# KiCad board JumperlessV5r8.kicad_pcb (continued)
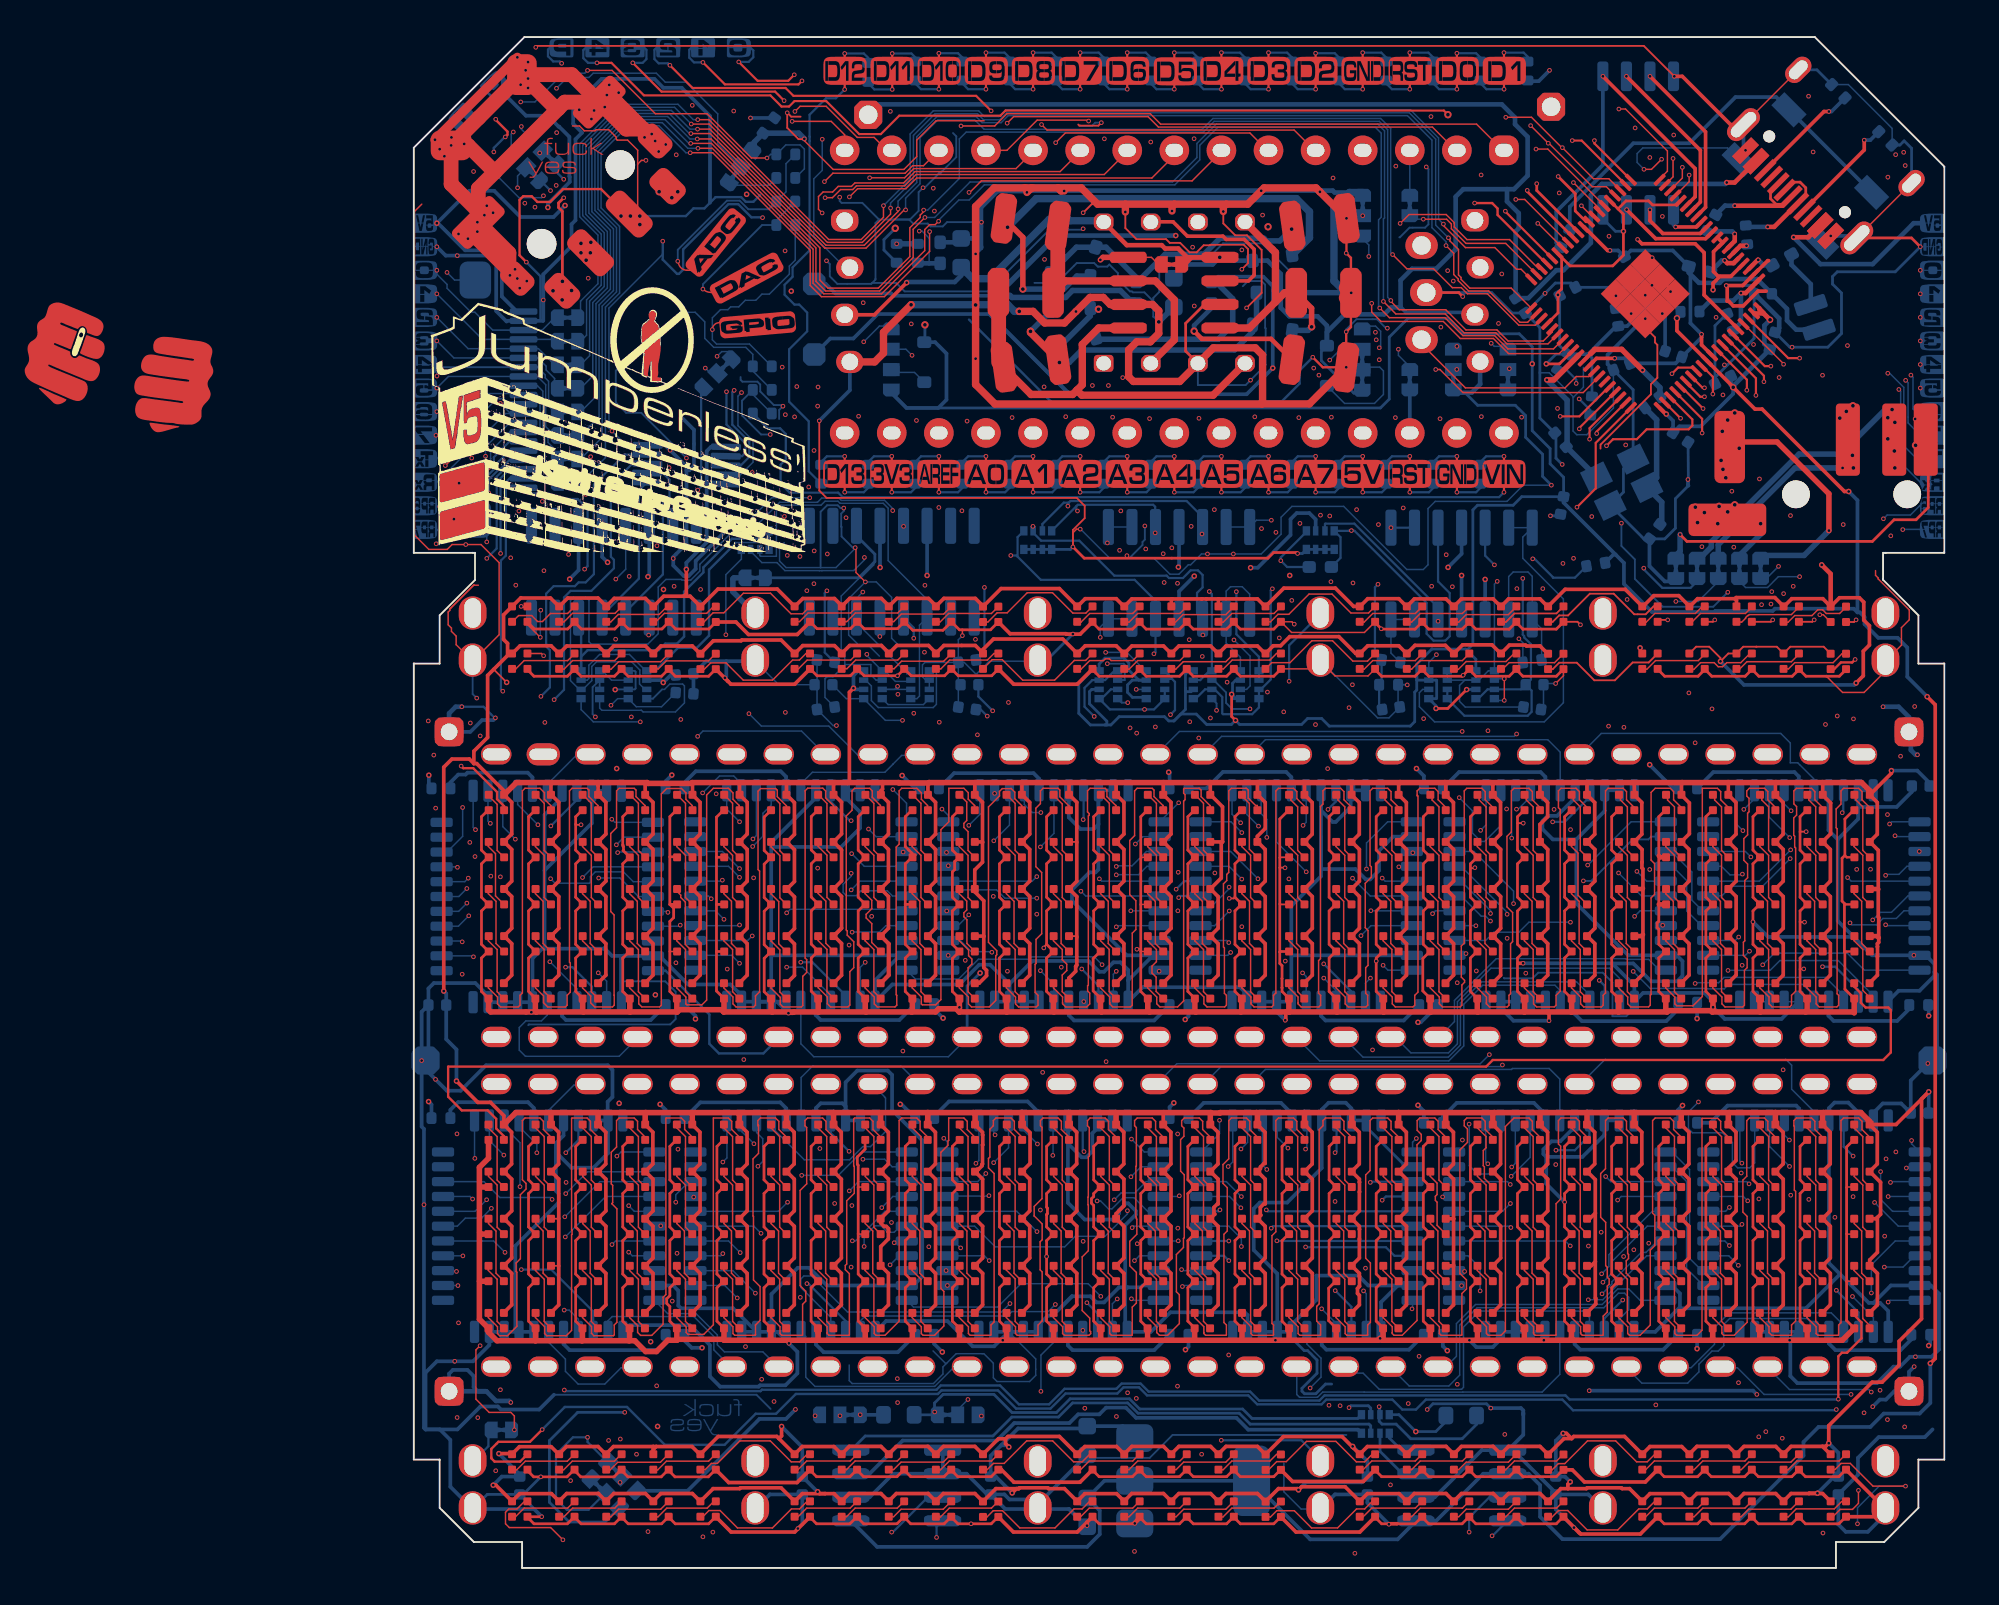
[diagram p0: board, top side]
## Routing (per net, layer and track width the routed paths; a pad name or vN(x,y) marks a point on that pad's centre or on a via; arc(x,y) is an arc through that point) (continued)
  Bottom w0.08: E1.7 10.88,17.63 v1(10.69,17.44) ; v1(23.66,17.64) 23.82,17.64 25.42,19.23 F5.5
/EF1: length 17.7
  In1.Cu w0.08: v1(11.59,17.03) 11.9,17.33 v1(24.29,17.33)
  Bottom w0.08: v1(24.29,17.33) 24.29,17.86 24.88,18.45 25.21,18.45 25.55,18.1 25.91,18.1 26.24,18.43 F5.6 ; v1(11.59,17.03) 11.79,16.83 E1.8
/EG0: length 67.9
  In1.Cu w0.08: v1(2.3,15.99) 2.54,15.76 23.73,15.76 23.75,15.73 63.94,15.73 v1(64.07,15.86)
  Bottom w0.08: E1.25 2.26,16.03 v1(2.3,15.99) ; G1.5 66.8,19.23 64.46,16.89 64.46,16.25 v1(64.07,15.86)
/EG1: length 67.8
  In1.Cu w0.08: v1(2.38,15.23) 2.75,15.6 21.31,15.6 21.42,15.5 64.05,15.5 v1(64.14,15.41)
  Bottom w0.08: v1(64.14,15.41) 64.64,15.91 64.64,16.54 66.53,18.43 G1.6 ; E1.24 2.38,15.23 v1(2.38,15.23)
/EH0: length 74.9
  In1.Cu w0.08: v1(79.11,21.37) 76.53,21.37 75.81,22.08 57.54,22.08 57.44,21.98 32.87,21.98 32.51,22.34 24.07,22.34 23.84,22.11 18.41,22.11 18.3,22.22 14.59,22.22 14.49,22.12 11.05,22.12 v1(10.96,22.21)
  Bottom w0.08: E1.1 11.18,22.43 v1(10.96,22.21) ; v1(79.11,21.37) 79.11,19.87 79.76,19.23 H1.5
/EH1: length 79.8
  In1.Cu w0.08: v1(8.2,20.18) 9.41,18.97 25.34,18.97 25.41,19.04 33.56,19.04 33.57,19.03 38.34,19.03 38.38,19 38.6,19 38.64,19.03 75.1,19.03 75.77,19.71 v1(78.79,19.71)
  Bottom w0.08: v1(78.79,19.71) 80.07,18.43 H1.6 ; E1.2 12.71,21.36 9.37,21.36 v1(8.2,20.18)
/FG0: length 54.5
  In1.Cu w0.08: v1(18.42,14.82) 18.57,14.96 36.45,14.96 36.55,15.07 36.55,15.07 41.15,15.07 41.54,14.67 62.97,14.67 63.15,14.85 64.01,14.85 v1(64.09,14.78)
  Bottom w0.08: v1(18.42,14.82) 17.21,16.03 F5.25 ; G1.7 67.08,17.63 66.46,17.01 66.2,17.01 64.62,15.43 64.62,15.31 v1(64.09,14.78)
/FG1: length 54.1
  In1.Cu w0.08: v1(63.35,14.46) 63.14,14.26 36.75,14.26 36.53,14.03 36.13,14.03 35.64,14.52 31.95,14.52 31.75,14.32 17.68,14.32 v1(17.45,14.56)
  Bottom w0.08: v1(63.35,14.46) 64.13,14.46 66.5,16.83 G1.8 ; F5.24 16.77,15.23 v1(17.45,14.56)
/FH0: length 76.1
  In1.Cu w0.08: v1(20.85,14.59) 30.48,14.59 30.7,14.8 36.7,14.8 36.8,14.91 41.05,14.91 41.44,14.51 63.05,14.51 63.24,14.7 63.49,14.7 64.01,14.18 77.97,14.18 v1(78.62,14.83)
  In2.Cu w0.08: v1(20.92,21.17) 20.92,14.67 v1(20.85,14.59)
  Bottom w0.08: v1(78.62,14.83) 78.62,16.34 79.9,17.63 H1.7 ; v1(20.92,21.17) 22.9,21.17 24.16,22.43 F5.1
/FH1: length 71.3
  In1.Cu w0.08: v1(23.59,16.22) 23.92,15.89 26.46,15.89 26.89,16.32 29,16.32 29.25,16.07 39.51,16.07 39.87,16.43 42.33,16.43 42.61,16.15 45.48,16.15 45.76,16.43 57.32,16.43 57.57,16.17 60.01,16.17 60.11,16.27 64.56,16.27 65.14,15.69 71.67,15.69 72.2,16.22 v1(79.32,16.22)
  In2.Cu w0.08: v1(23.59,16.22) 23.59,17.16 24.05,17.62 24.05,20.51 24.05,18.81 24.05,21.86 v1(24.22,22.04)
  Bottom w0.08: v1(79.32,16.22) 80.33,16.22 80.93,16.83 H1.8 ; v1(24.22,22.04) 25.4,22.04 25.8,21.63 F5.2
/GH0: length 7.8
  Bottom w0.08: H1.25 69.47,16.03 68.81,16.7 68.81,21.48 67.86,22.43 G1.1
/GH1: length 7.7
  Bottom w0.08: G1.2 67.86,21.63 68.65,20.84 68.65,16.14 69.56,15.23 H1.24
/QSPI_SCLK: length 4.1
  Top w0.2: U5.71 69.39,71.96 67.37,71.96 66.67,72.65 v1(66.67,73.24)
/QSPI_SD0: length 2.5
  Top w0.2: v1(68.06,72.31) 69.18,72.31 U5.72
  Bottom w0.2: v1(68.06,72.31) 67.95,72.42 U8.5
/QSPI_SD1: length 9.1
  Top w0.2: v1(65.41,80.44) 69.39,76.45 69.39,73.66 U5.74
/QSPI_SD2: length 9
  Top w0.2: U5.73 69.67,73.37 69.67,77.44 v1(66.67,80.44)
/QSPI_SD3: length 5.4
  Top w0.2: U5.70 69.68,71.68 66.98,71.68 v1(65.42,73.25)
/QSPI_SS: length 19.6
  Top w0.2: v1(64.14,80.44) 69.11,75.46 69.11,73.94 U5.75
  Bottom w0.2: v1(64.14,80.44) 64.14,75.65 61.62,73.14 61.62,71.47 R5.1
/SWCLK: length 10.9
  Top w0.08: U5.33 63.37,64.24 62.7,64.24 62.09,63.63 56.72,63.63 54.36,66 J1.1
/SWD: length 18.9
  Top w0.08: U5.34 63.07,63.38 56.59,63.38 55.35,64.62 v1(55.12,64.62)
  In2.Cu w0.08: J1.3 55.24,71.31 56.14,70.41 56.14,69.84 56.33,69.65 56.33,69.23 56.11,69.01 56.11,67.03 56.6,66.53 56.6,65.76 56.32,65.47 55.9,65.47 55.14,64.71 55.14,64.65 v1(55.12,64.62)
/USB_D+: length 6.9
  Top w0.15: J2.B6 73.18,74.24 73.18,73.83 73.48,73.53 73.88,73.53 J2.A6
  Top w0.25: v1(71.25,73.46) 73.81,73.46 J2.A6
  Bottom w0.25: v1(71.25,73.46) 70.72,73.46 R85.1
/USB_D-: length 5.8
  Top w0.15: J2.A7 74.37,74.73 74.77,74.73 75.08,74.42 75.08,74.02 J2.B7
  Top w0.25: J2.B7 73.37,72.31 v1(73.03,72.31)
  Bottom w0.25: v1(73.03,72.31) 71.92,72.31 R86.1
/VREG_AVDD: length 6.1
  Top w0.25: v1(71.58,68.75) 71.83,68.75 U5.61
  Bottom w0.25: R79.2 69.93,68.34 71.17,68.34 v1(71.58,68.75) 71.58,67.16 C39.1
/VREG_LX: length 1.6
  Top w0.25: v1(72.52,70.54) 72.49,70.54 U5.63
  Bottom w0.25: v1(72.52,70.54) 72.81,70.25 R90.2
/XIN: length 8.6
  Top w0.3: U5.30 61.5,64.07 v1(61.11,64.07)
  Bottom w0.3: Y1.1 63.79,58.83 C13.1 62.2,60.51 62.2,62.97 v1(61.11,64.07)
/XOUT: length 5.7
  Top w0.2: U5.31 63.48,65.48
  Top w0.3: 63.48,65.48 63.71,65.71 65.15,65.71 v1(66.27,64.59)
  Bottom w0.3: v1(66.27,64.59) 67.21,63.65 R12.1
/~{USB_BOOT}: length 22.1
  Bottom w0.2: R5.2 62.35,73.4 65.78,76.83 68.8,76.83 71.29,79.32 73.49,79.32 SW1.2 SW1.2
A0: length 23.8
  In2.Cu w0.08: 30.86,61.14 29.83,60.11 29.83,45.88 29.57,45.61 29.57,45.27 28.77,44.48 28.77,41.34 29.03,41.08 29.03,39.14 28.73,38.84 v1(28.73,38.58)
  Bottom w0.08: v1(28.73,38.58) 28.78,38.63 I1.31
A1: length 44.8
  In2.Cu w0.08: v1(31.02,20.07) 31.12,20.17 31.12,21.37 30.86,21.63 30.86,25.04 31.04,25.22 31.04,30.61 31.18,30.75 31.18,32.82 30.81,33.19 30.81,42.16 31.13,42.48 31.13,44.4 31.81,45.08 31.81,57.87 32.16,58.22 32.16,59.86 33.4,61.09 33.4,61.14
  Bottom w0.08: v1(31.02,20.07) 31,20.05 28.8,20.05
A2: length 29.9
  In2.Cu w0.08: 35.94,61.14 34.92,60.12 34.92,45.89 33.73,44.71 33.73,41.33 33.36,40.95 33.36,38.18 33.6,37.93 v1(33.6,37.28)
  Bottom w0.08: I1.29 33.36,37.03 v1(33.6,37.28)
A3: length 55
  In2.Cu w0.08: 38.43,19.37 38.43,24.75 38.63,24.95 38.63,28.98 38.43,29.18 38.43,34.87 38.22,35.08 38.22,43.32 38.43,43.53 38.43,44.2 37.69,44.94 37.69,52.24 37.68,52.25 37.68,55.21 39.65,57.18 39.65,60.04 A1.22 ; 38.42,19.37 38.49,19.3 v1(38.49,19.26)
  Bottom w0.08: J6.28 30.24,18.43 31.36,17.31 35.11,17.31 35.68,17.89 37.28,17.89 38.49,19.09 v1(38.49,19.26)
A4: length 41
  In1.Cu w0.08: v1(28.34,45.6) 39.51,45.6 39.66,45.75 41.73,45.75 v1(41.85,45.63)
  In2.Cu w0.08: v1(41.85,45.63) 42.1,45.88 42.1,52.31 41.95,52.47 41.95,52.88 41.67,53.16 41.67,55.64 40.01,57.29 40.01,60.13 41.02,61.14 ; v1(28.74,35.42) 28.23,35.94 28.23,41.01 28.45,41.23 28.45,45.5 v1(28.34,45.6)
A5: length 61.2
  In1.Cu w0.08: v1(42.97,45.83) 42.24,46.56 38.75,46.56 38.61,46.41 32.33,46.41 v1(32.07,46.67)
  In2.Cu w0.08: v1(42.97,45.83) 42.97,52.33 43.15,52.51 43.15,56.12 42.21,57.05 42.21,59.79 43.56,61.14 ; v1(32.07,46.67) 32.07,45.04 31.29,44.25 31.29,42.41 30.97,42.09 30.97,33.76 31.44,33.29 31.44,31.95 31.34,31.85 31.34,30.69 31.21,30.56 31.21,25.17 31.03,24.98 31.03,21.69 31.28,21.44 31.28,16.81 v1(31.04,16.57)
  Bottom w0.08: J6.26 30.78,16.83 v1(31.04,16.57)
A6: length 37.1
  In1.Cu w0.08: v1(37.89,37.83) 37.93,37.86 42.84,37.86 42.88,37.91 43.75,37.91 43.79,37.86 46.07,37.86 46.78,37.15 v1(47.2,37.15)
  In2.Cu w0.08: v1(47.2,37.15) 46.66,37.7 46.66,46.88 46.95,47.17 46.95,54.13 47.03,54.21 47.03,54.43 46.98,54.47 46.98,60.26 46.1,61.14
  Bottom w0.08: I1.3 39.52,38.63 38.74,37.86 37.92,37.86 v1(37.89,37.83)
A7: length 50
  In1.Cu w0.08: v1(47.8,56.33) 47.71,56.24 45.92,56.24 45.85,56.31 42.08,56.31 v1(41.93,56.17)
  In2.Cu w0.08: 48.64,61.14 47.78,60.28 47.78,56.34 v1(47.8,56.33) ; v1(41.93,56.17) 41.93,54.22 42.39,53.76 42.39,52.45 42.28,52.35 42.28,45.31 41.48,44.51 41.48,43.39 42,42.87 42,31.19 41.12,30.31 41.12,29.47 41.45,29.14 41.45,25.76 41.79,25.42 41.79,20.57 v1(41.29,20.07)
  Bottom w0.08: v1(41.29,20.07) 41.25,20.03 J6.4
ADC_BUFFERED_5V_4: length 44
  Top w0.12: U5.55 72.87,64.81 v1(73.2,64.81)
  In1.Cu w0.12: v1(73.25,52.65) 72.83,53.06 72.12,53.06 71.92,53.26 63.46,53.26 62.71,52.51 52.54,52.51 v1(52.01,53.04)
  In2.Cu w0.12: v1(73.2,64.81) 73.2,64.8 73.2,52.69 v1(73.25,52.65)
  Bottom w0.12: C46.1 52.07,46.45 R82.1 52.2,47.76 R87.2 51.84,49.32 51.84,52.88 v1(52.01,53.04)
ADC_BUFFERED_+-8V_0: length 65.6
  Top w0.12: 69.47,64.82 U5.49 69.48,64.82 70.07,64.23 v1(70.07,63.3)
  In1.Cu w0.12: v1(30.93,45.93) 36.68,45.93 v1(36.7,45.91) 36.8,46.01 v1(40.81,46.01) ; v1(40.89,55.01) 69.41,55.01 v1(69.48,55.07)
  In2.Cu w0.12: v1(70.07,63.3) 69.97,63.2 69.97,55.57 v1(69.48,55.07) ; v1(40.81,46.01) 40.83,46.03 40.83,54.95 v1(40.89,55.01)
  Bottom w0.12: C42.1 30.58,46.29 v1(30.93,45.93) ; RN13.2 40.57,47.94 40.9,47.94 ; 40.9,47.94 40.9,47.99 RN13.1 ; 40.9,47.94 41.06,47.78 41.06,46.25 v1(40.81,46.01) ; RN14.1 37.79,48.38 37.29,47.88 RN14.7 36.59,47.88 36.18,47.46 36.18,46.44 v1(36.7,45.91)
ADC_BUFFERED_+-8V_1: length 68.2
  Top w0.12: v1(71.9,63.51) 71.9,64.08 U5.52
  In1.Cu w0.12: v1(71.2,55.05) 70.84,55.4 69.27,55.4 69.15,55.28 61.65,55.28 61.63,55.3 49.36,55.3 49.26,55.4 39.68,55.4 39.48,55.19 v1(39.48,54.95) ; v1(31.22,46.22) 39.34,46.22 v1(39.41,46.3)
  In2.Cu w0.12: v1(39.41,46.3) 39.39,46.32 39.39,54.86 v1(39.48,54.95) ; v1(71.9,63.51) 71.9,63.51 71.9,55.75 v1(71.2,55.05)
  Bottom w0.12: v1(31.22,46.22) 30.45,46.99 C43.1 ; RN13.3 RN13.4 39.93,46.3 v1(39.41,46.3) 37.54,46.3 RN14.5 37.09,46.88 37.59,47.38 RN14.3
ADC_BUFFERED_+-8V_2: length 81.7
  Top w0.12: v1(72.39,63.23) 72.39,64.15 U5.53
  In1.Cu w0.12: v1(22.28,52.69) 22.48,52.89 24.57,52.89 24.85,52.61 42.87,52.61 v1(42.91,52.65) 42.92,52.64 v1(44.37,52.64) 44.54,52.48 47.8,52.48 47.98,52.66 50.16,52.66 50.83,51.98 62.86,51.98 63.75,52.87 71.76,52.87 v1(72.69,51.94)
  In2.Cu w0.12: v1(72.69,51.94) 72.28,52.35 72.28,63.12 v1(72.39,63.23)
  Bottom w0.12: RN17.7 42.42,47.88 42.92,48.38 RN17.1 43.05,52.52 v1(42.91,52.65) ; v1(44.37,52.64) 44.37,50.35 45.59,49.13 RN16.1 RN16.2 ; v1(22.28,52.69) 22.17,52.57 22.17,49.36 C44.1
ADC_BUFFERED_+-8V_3: length 74.8
  Top w0.12: U5.54 72.82,64.29 v1(72.82,63.96)
  In1.Cu w0.12: v1(73.2,51.98) 72.31,52.87 72.04,52.87 71.84,53.07 63.57,53.07 62.76,52.25 50.94,52.25 50.29,52.91 46.41,52.91 v1(46.31,52.8) 46.15,52.96 42.68,52.96 42.55,52.83 30.82,52.83 v1(30.78,52.87)
  In2.Cu w0.12: v1(73.2,51.98) 72.84,52.34 72.84,56 73,56.16 73,63.78 v1(72.82,63.96)
  Bottom w0.12: v1(46.31,52.8) 46.22,52.71 46.22,47.91 45.69,47.38 RN16.3 RN16.4 45.59,46.4 45.22,46.04 43.65,46.04 43.61,46.08 43.61,46.96 43.19,47.38 RN17.3 42.67,47.38 42.17,46.88 RN17.5 ; v1(30.78,52.87) 30.78,49.42 C45.1
ADC_BUFFERED_+-8V_PROBE: length 48
  Top w0.12: v1(74.75,65.24) 74.13,65.24 U5.58
  In1.Cu w0.12: v1(59.81,53.36) 59.84,53.38 63.09,53.38 63.31,53.61 72.07,53.61 72.27,53.41 73.93,53.41 v1(74.4,52.93)
  In2.Cu w0.12: v1(74.75,65.24) 74.9,65.08 74.9,60.97 75.67,60.21 75.67,57.31 74.31,55.95 74.31,53.02 v1(74.4,52.93)
  Bottom w0.12: v1(59.81,53.36) 59.81,50.32 59.89,50.25 59.89,50.18 60.25,49.81 60.25,47.91 C24.1 ; RN6.5 57.42,46.88 57.92,47.38 RN6.3 59.72,47.38 C24.1 ; C24.1 60.29,47.3 60.29,46.16 60.08,45.95 56.67,45.95 RN7.4 RN7.3
ADC_PROBE_SENSE: length 120.2
  Top w0.2: v1(66.01,71.64) 66.24,71.4 69.12,71.4 69.6,70.92 69.6,68.64 U5.56
  In1.Cu w0.12: v1(2.59,46.44) 3.19,45.84 v1(4.4,45.84)
  In1.Cu w0.2: v1(65.87,77.65) 61.32,77.65 61,77.33 60.15,77.33 59.72,77.76 54.71,77.76 54.33,78.14 37.41,78.14 37.16,78.39 31.75,78.39 31.55,78.19 25.96,78.19 25.1,77.33 23.97,77.33 23.65,77.65 18.63,77.65 18.27,78.01 18.27,78.08 v1(18.16,78.19) 17.07,78.19 16.04,79.22 12.31,79.22 9.61,76.53 8.34,76.53 7.71,77.17 v1(7.71,77.4)
  In2.Cu w0.2: v1(7.71,77.4) 7.61,77.4 6.85,76.63 6.66,76.63 6.47,76.44 6.47,76.25 5,74.78 5,71.63 3.73,70.36 3.73,60.66 4.36,60.03 4.36,45.88 v1(4.4,45.84) ; v1(66.01,71.64) 66.01,75.09 65.88,75.22 65.88,75.49 65.94,75.54 65.94,77.59 v1(65.87,77.65)
  Bottom w0.12: 4.36,45.84 3.76,46.44 v1(2.59,46.44)
  Bottom w0.2: R54.2 19.45,78.19 v1(18.16,78.19) ; v1(4.4,45.84) 4.28,45.72 3.68,45.72 3.05,45.09 J11.1
  Bottom w0.25: v1(2.59,46.44) 2.26,46.44 1.91,46.08 J11.1
ADC_UNBUFFERED_5V_4: length 118.6
  Top w0.12: v1(9.88,81.16) 10.66,81.16 12.41,79.41 19.23,79.41 19.83,78.81 20.24,78.81 20.53,79.1 22.25,79.1 24.02,77.32 25.19,77.32 26.18,78.31 31.64,78.31 31.92,78.59 55.56,78.59 v3(55.78,78.37)
  In1.Cu w0.12: v1(55.25,51.05) 54.44,50.25 47.7,50.25 47.19,49.74 42.14,49.74 v1(41.83,50.05)
  In2.Cu w0.12: v1(41.26,36.14) 41.82,36.71 41.82,42.8 41.3,43.32 41.3,49.53 v1(41.83,50.05) ; v3(55.78,78.37) 55.13,77.72 55.13,73.35 56.17,72.31 56.17,72.12 56.32,71.98 56.32,69.91 56.51,69.72 56.51,69.16 56.28,68.94 56.28,67.1 56.78,66.6 56.78,65.69 56.55,65.46 56.55,63.66 56.86,63.35 56.86,62.28 57.44,61.7 57.44,57.68 57.2,57.43 57.2,53 v1(55.25,51.05)
  Bottom w0.12: v1(55.25,51.05) U7.12 55.25,51.8 50.73,56.31 49.17,56.31 49.15,56.29 RN15.7 ; v1(9.88,81.16) 9.4,81.16 9.14,81.41 9.14,81.85 NOREF#8.5 ; v1(41.26,36.14) 41.35,36.23 L1.28
ADC_UNBUFFERED_+-8V_0: length 127
  Top w0.12: v1(17.53,81.21) 18.54,80.19 20.2,80.19 v1(20.52,80.52)
  In1.Cu w0.12: 21.59,58.31 v1(21.59,60.26) ; 21.59,58.31 22.22,57.67 35.38,57.67 35.8,57.25 v1(35.8,57) ; 21.59,58.31 21.59,58.7 21.57,58.72 4.25,58.72 3.59,58.06 v1(3.59,57.78) ; v1(39.99,55.81) 42.05,55.81 42.28,56.05 v1(45.72,56.05)
  In2.Cu w0.12: v1(45.72,56.05) 45.72,45.27 46.07,44.92 46.07,39.88 45.71,39.51 45.71,39.28 46.08,38.91 46.08,22.13 45.71,21.76 45.71,19.58 v1(45.98,19.31) ; v1(21.59,60.26) 21.3,60.54 21.3,61.96 21.34,62 21.34,64.63 21.66,64.94 21.66,72.34 20.48,73.51 20.48,77.14 21.83,78.49 21.83,78.92 22.04,79.13 22.04,79.68 21.62,80.09 21.49,80.09 21.07,80.52 v1(20.52,80.52)
  Bottom w0.12: RN18.8 35.73,57.25 ; 35.73,57.25 35.81,57.33 39.88,57.33 39.99,57.22 v1(39.99,55.81) ; 35.73,57.25 35.73,57.07 v1(35.8,57) ; v1(45.98,19.31) 46.06,19.23 K1.5 ; v1(3.59,57.78) 3.59,58.51 4.32,59.24 4.32,59.9 5.17,60.75 J5.15 ; NOREF#6.3 18.31,81.83 18.31,81.47 18.06,81.21 v1(17.53,81.21)
ADC_UNBUFFERED_+-8V_1: length 126.4
  Top w0.12: v1(15.6,81.19) 16.78,80 20.75,80 v1(20.94,80.19)
  In1.Cu w0.12: v1(42.51,55.75) 42.58,55.68 46.34,55.68 v1(46.5,55.84) ; v1(35.28,57.26) 35.09,57.45 22.07,57.45 21.3,58.21 v1(21.3,58.29) 21.07,58.52 4.59,58.52 v1(4.04,57.97)
  In2.Cu w0.12: v1(21.3,58.29) 21.23,58.37 21.23,58.61 21.11,58.72 21.11,62.04 21.15,62.08 21.15,64.71 21.46,65.02 21.46,72.26 20.29,73.43 20.29,77.22 21.07,78 21.07,78.84 20.91,79 20.91,79.5 20.94,79.53 v1(20.94,80.19) ; v1(46.25,18.32) 46.28,18.35 46.28,47.03 46.4,47.16 46.4,52.52 46.59,52.71 46.59,52.92 46.5,53.01 v1(46.5,55.84)
  Bottom w0.12: 35.33,57.45 35.06,57.45 33.91,56.29 RN18.7 ; 35.33,57.45 35.28,57.4 v1(35.28,57.26) ; 35.33,57.45 35.42,57.53 41.68,57.53 42.55,56.67 U11.5 42.55,55.79 v1(42.51,55.75) ; 15.62,81.21 v1(15.6,81.19) 15.11,81.19 14.86,81.44 14.86,81.87 NOREF#3.4 ; v1(4.04,57.97) 4.04,58.69 4.51,59.16 4.51,59.59 5.17,60.25 J5.16 ; K1.6 46.36,18.43 v1(46.25,18.32)
ADC_UNBUFFERED_+-8V_2: length 145.4
  Top w0.12: v1(13.81,81.03) 15.04,79.81 20.05,79.81 20.48,79.38 30.33,79.38 v1(31.14,78.57)
  In1.Cu w0.12: v1(46.68,50.15) 46.44,50.39 42.64,50.39 v1(42.56,50.31) ; v1(3.94,54.44) 5.16,55.66 20.09,55.66 21.03,54.72 21.31,54.72 21.48,54.56 21.71,54.56 22.82,55.66 26.48,55.66 26.98,56.17 v1(33.39,56.17)
  In2.Cu w0.12: v1(33.39,56.17) 34.43,57.2 34.43,61.59 33.53,62.49 30.15,62.49 29.11,63.53 29.11,72.25 32.19,75.32 32.19,77.24 32.28,77.34 32.28,78.18 31.89,78.57 v1(31.14,78.57) ; v1(46.68,50.15) 46.68,47.16 46.48,46.95 46.48,18.5 46.53,18.44 46.53,18.2 46.48,18.15 46.48,17.71 v1(46.55,17.64)
  Bottom w0.12: v1(33.39,56.17) 33.41,56.15 RN18.6 33.41,55.82 33.83,55.39 35.9,55.39 37.78,53.51 40.61,53.51 40.73,53.38 41.49,53.38 41.9,53.79 42.3,53.79 42.55,53.54 42.55,52.88 42.25,52.58 42.25,51.48 U11.10 42.55,50.33 v1(42.56,50.31) ; NOREF#4.5 12.98,81.87 12.98,81.36 13.21,81.14 13.71,81.14 v1(13.81,81.03) ; v1(3.94,54.44) 4.47,54.97 4.47,58.84 4.71,59.08 4.71,59.29 5.17,59.75 J5.17 ; v1(46.55,17.64) 46.56,17.63 K1.7
ADC_UNBUFFERED_+-8V_3: length 131.2
  Top w0.12: v1(11.81,81.16) 13.36,79.61 19.49,79.61 v1(19.97,79.12)
  In1.Cu w0.12: v1(32.2,54.6) 32,54.8 24.21,54.8 23.82,54.41 21.84,54.41 21.79,54.36 21.4,54.36 21.35,54.41 20.96,54.41 v1(20.83,54.54) 19.94,55.43 5.41,55.43 v1(4.68,54.71) ; v1(48.63,45.48) 48.36,45.2 40.15,45.2 v1(40,45.35)
  In2.Cu w0.12: v1(40,45.35) 40,49.21 v1(39.92,49.29) ; v1(48.1,17.31) 48.6,17.81 48.6,44.76 48.63,44.79 v1(48.63,45.48) ; v1(19.97,79.12) 20.51,79.12 20.87,78.76 20.87,78.08 20.09,77.3 20.09,73.35 21.27,72.18 21.27,65.1 20.95,64.79 20.95,62.16 20.91,62.12 20.91,62.12 20.83,62.04 v1(20.83,54.54)
  Bottom w0.12: v1(11.81,81.16) 12.34,81.16 12.55,81.36 12.55,81.86 NOREF.6 ; RN18.5 32.56,55.58 32.56,54.54 ; v1(32.2,54.6) 32.51,54.6 32.56,54.54 ; J5.18 5.17,59.25 4.68,58.76 v1(4.68,54.71) ; K1.8 52.89,16.83 52.43,17.29 48.11,17.29 v1(48.1,17.31) ; 32.56,54.54 33.82,53.28 38.88,53.28 40.01,52.16 U11.12 40.01,49.38 v1(39.92,49.29)
ADC_UNBUFFERED_+-8V_PROBE: length 101.7
  In1.Cu w0.12: v1(66.34,53.91) 66.32,53.89 58.48,53.89 v1(58.29,54.09) 58.06,54.32 v1(46.76,54.32) 24.64,54.32 24.48,54.16 13.12,54.16 12.75,54.52 8.86,54.52 8.72,54.38 5.32,54.38 v1(5.23,54.47)
  In2.Cu w0.12: v1(5.23,54.47) 5.23,54.59 4.6,55.22 4.6,60.28 4.06,60.82 4.06,70.35 5.24,71.53 5.24,73.44 8.42,76.62 8.42,80.69 v1(7.98,81.14)
  Bottom w0.12: NOREF#7.3 7.24,81.88 7.24,81.52 7.52,81.24 7.87,81.24 v1(7.98,81.14) ; v1(66.34,53.91) 66.34,53.85 67.34,52.85 68.86,52.85 JP14.1 ; U7.5 57.79,54.59 v1(58.29,54.09) ; RN15.5 48.15,55.87 46.76,54.49 v1(46.76,54.32) 47.1,53.98 R88.2
AI: length 29.8
  In1.Cu w0.08: v1(2.63,41.01) 25.56,41.01 25.58,40.98 25.7,40.98 25.76,40.92 v1(28.49,40.92)
  Bottom w0.08: I1.33 28.83,40.58 v1(28.49,40.92) ; A2.31 1.79,38.61 2.63,39.45 v1(2.63,41.01)
AJ: length 42.7
  In1.Cu w0.08: v1(2.33,23.4) 28.35,23.4 v1(28.59,23.17)
  In2.Cu w0.08: v1(2.33,23.4) 2.48,23.56 2.48,23.57 2.58,23.67 2.58,29.61 2.26,29.94 2.26,37.68 v1(2.36,37.78)
  Bottom w0.08: J6.33 28.78,22.97 v1(28.59,23.17) ; v1(2.36,37.78) 2.33,37.81 A2.30
AK: length 52.7
  In1.Cu w0.08: v1(9.97,37.2) 10.37,36.81 18.83,36.81 19.04,37.01 36.75,37.01 36.87,36.89 37.09,36.89 37.2,37.01 42.74,37.01 v1(43.21,37.47)
  In2.Cu w0.08: v1(43.21,37.47) 43.21,29.72 43.51,29.42 43.51,25.09 43.46,25.04 v1(43.46,24.14)
  Bottom w0.08: v1(9.97,37.2) 11.12,37.2 12.12,36.21 A2.6 ; K1.33 43.46,23.42 v1(43.46,24.14)
AL: length 51.8
  In1.Cu w0.08: v1(3.3,38.36) 4.51,39.56 9.77,39.56 10.08,39.88 17.95,39.88 18.27,39.56 30.47,39.56 30.57,39.67 44.64,39.67 v1(44.66,39.65)
  In2.Cu w0.08: v1(3.3,38.36) 3.22,38.28 v1(3.22,32.95)
  Bottom w0.08: v1(3.22,32.95) 3.17,33.01 A2.24 ; L1.33 44.08,40.23 v1(44.66,39.65)
AREF: length 65.7
  In1.Cu w0.08: v1(44.64,17.33) 44.57,17.27 39.18,17.27 39.13,17.22 38.91,17.22 38.86,17.27 35.88,17.27 35.77,17.38 33,17.38 32.89,17.27 30.44,17.27 30.11,17.6 28.06,17.6 v1(27.78,17.32)
  In2.Cu w0.08: 28.32,61.14 27.12,59.94 27.12,56.6 28.29,55.43 28.29,46.41 27.87,45.99 27.87,45.19 28.3,44.76 28.3,41.49 28.07,41.27 28.07,29.49 28.32,29.24 28.32,17.86 v1(27.78,17.32)
  Bottom w0.08: K1.28 43.96,18.43 44.64,17.75 v1(44.64,17.33)
BI: length 21.5
  In1.Cu w0.08: v1(31.33,41.77) 31.28,41.72 16.33,41.72 v1(16.31,41.74)
  In2.Cu w0.08: v1(16.31,41.74) 16.25,41.68 16.25,37.48 v1(16.64,37.09)
  Bottom w0.08: v1(16.64,37.09) 16.59,37.03 B1.29 ; I1.35 31.33,41.77 v1(31.33,41.77)
BJ: length 30.2
  In1.Cu w0.08: v1(16.04,36.09) 16.11,36.02 31.07,36.02 v1(31.26,36.21)
  In2.Cu w0.08: v1(31.35,23.35) 31.37,23.37 31.37,30.5 31.5,30.64 31.5,31.78 31.6,31.88 31.6,35.87 v1(31.26,36.21)
  Bottom w0.08: v1(16.04,36.09) 15.89,36.23 B1.28 ; J6.35 31.28,23.42 v1(31.35,23.35)
BK: length 38.5
  In1.Cu w0.08: v1(44.66,34.58) 44.14,34.06 38.69,34.06 38.46,34.28 v1(23.64,34.28)
  In2.Cu w0.08: v1(44.62,22.59) 44.12,23.09 44.12,29.15 44.66,29.69 v1(44.66,34.58)
  Bottom w0.08: B1.8 25.46,34.63 25.12,34.29 23.65,34.29 v1(23.64,34.28) ; K1.35 44.97,22.94 v1(44.62,22.59)
BL: length 25.6
  In1.Cu w0.08: v1(45.56,40) 44.83,40 44.74,39.92 30.59,39.92 30.45,39.77 24.6,39.77 v1(24.53,39.84)
  Bottom w0.08: v1(24.53,39.84) 24.94,39.43 B1.2 ; L1.35 44.93,40.63 v1(45.56,40)
BOTTOM_RAIL: length 95.6
  In1.Cu w0.12: 79.38,5.72 3.18,5.72
  In2.Cu w0.12: v1(43.96,16.57) 43.55,16.16 v1(43.55,6.88)
  Bottom w0.12: v1(43.96,16.57) 43.7,16.83 K1.26 ; v1(43.55,6.88) 47.88,6.88 48.9,5.87 48.9,5.72 ; JP4.2 4.02,6.56 3.18,5.72
Cap+: length 14.9
  Top w0.4: U1.2 41.02,66.23 41.02,68.38 40,69.4 U9.2 35.14,69.4 34.5,68.76
  Top w0.8: 34.5,68.76 34.73,69 34.73,72.36
Cap-: length 23.7
  Top w0.4: U1.4 43.11,63.24 36.03,63.24 35.76,63.51 ; 35.76,63.51 36.06,63.8 36.06,65.98 36.94,66.86 U9.4 ; 35.76,63.51 35.53,63.28 33.29,63.28 C5.1
  Top w0.8: 31.54,68.76 31.54,65.03
CI: length 30.9
  In1.Cu w0.08: v1(33.6,35.25) 38.15,35.25 38.83,34.57 43.87,34.57 44.45,35.15 54.82,35.15 v1(54.95,35.28)
  In2.Cu w0.08: v1(33.6,35.25) 33.96,35.61 33.96,37.8 33.52,38.24 33.52,40.43 v1(33.82,40.73)
  Bottom w0.08: v1(54.95,35.28) 55.1,35.44 C26.27 ; v1(33.82,40.73) 33.37,40.73 32.93,41.17 I1.37
CJ: length 38
  In1.Cu w0.08: v1(56.56,23.07) 56.38,22.89 53.95,22.89 53.92,22.92 38.94,22.92 38.88,22.86 v1(33.64,22.86)
  In2.Cu w0.08: v1(56.56,23.07) 56.11,23.52 56.11,24.99 56.44,25.32 56.44,27.76 56.53,27.85 56.53,32.29 57.29,33.05 v1(57.29,34.63)
  Bottom w0.08: v1(57.29,34.63) 57.28,34.64 C26.26 ; J6.37 32.88,23.62 v1(33.64,22.86)
CK: length 22.8
  In1.Cu w0.08: v1(56.75,33.13) 56.63,33.25 47.54,33.25 v1(47.01,32.72)
  In2.Cu w0.08: v1(47.01,32.72) 46.66,32.38 46.66,23.13 v1(47.15,22.64)
  Bottom w0.08: v1(47.15,22.64) 46.57,23.22 K1.37 ; 56.13,33.04 56.66,33.04 v1(56.75,33.13)
CL: length 25.6
  In1.Cu w0.08: v1(48.14,37.54) 48.74,36.93 62.18,36.93 62.55,37.3 63.28,37.3 63.45,37.13 64.55,37.13 64.89,37.48 v1(64.98,37.48)
  Bottom w0.08: v1(48.14,37.54) 46.53,39.14 L1.37 ; 67.53,36.24 66.22,36.24 v1(64.98,37.48)
CLK: length 219.4
  Top w0.08: U5.14 60.65,72.5 v1(60.62,72.5)
  In1.Cu w0.08: v1(3.33,39.81) 3.41,39.72 9.7,39.72 10.02,40.04 17.37,40.04 v1(17.57,40.23) 17.77,40.04 24.32,40.04 24.53,40.25 29.73,40.25 v1(29.93,40.04) 29.97,40.08 44.49,40.08 v1(44.6,40.18) 44.67,40.26 45.68,40.26 46.17,39.77 v1(57.54,39.77) 58.05,39.77 58.22,39.6 59.31,39.6 59.4,39.51 60.72,39.51 60.98,39.77 62.35,39.77 v1(62.39,39.81) 71.63,39.81 v1(71.69,39.76) ; v1(71.63,21.83) 71.59,21.87 61.71,21.87 v1(61.59,21.75) 61.46,21.88 58.02,21.88 v1(57.93,21.79) 57.89,21.75 44.03,21.75 v1(43.93,21.65) 32.94,21.65 32.46,22.13 30.64,22.13 v1(30.32,21.81) 30.28,21.77 24.14,21.77 23.97,21.95 16.73,21.95 v1(16.67,21.89) 16.61,21.95 3.43,21.95 v1(3.3,22.08)
  In2.Cu w0.08: v1(61.59,21.75) 61.9,22.06 61.9,23.93 61.67,24.16 61.67,39.09 v1(62.39,39.81) 62.11,40.09 62.11,41.31 61.7,41.72 61.7,44.81 60.62,45.89 v1(60.62,72.5)
  Bottom w0.08: v1(71.69,39.76) 71.35,40.1 71.35,41.78 71.5,41.94 ; v1(57.93,21.79) 57.81,21.91 G1.34 ; K1.34 44.17,21.89 v1(43.93,21.65) ; I1.34 30.53,40.63 v1(29.93,40.04) ; v1(30.32,21.81) 30.48,21.98 J6.34 ; F5.34 16.89,22.11 v1(16.67,21.89) ; v1(3.3,22.08) 3.28,22.1 E1.34 ; v1(57.54,39.77) 57.83,40.07 C26.34 ; v1(71.63,21.83) 71.52,21.94 H1.34 ; v1(3.33,39.81) 3.2,39.94 A2.34 ; v1(44.6,40.18) 44.13,40.64 L1.34 ; v1(17.57,40.23) 16.88,40.93 B1.34
CS_A: length 91.1
  Top w0.12: U5.36 64.46,63.69 62.87,62.1 v1(61.84,62.1)
  In1.Cu w0.12: v1(20.04,62.19) 20.8,62.95 22.35,62.95 22.47,62.83 37.78,62.83 37.87,62.75 61.09,62.75 61.74,62.1 v1(61.84,62.1) ; v1(8.35,54.65) 8.47,54.78 14.84,54.78 15.17,54.44 19.99,54.44 v1(20.15,54.6)
  In2.Cu w0.12: v1(8.19,32.4) 8.27,32.48 8.27,50.99 8.96,51.68 8.96,53.73 8.35,54.35 v1(8.35,54.65) ; v1(20.15,54.6) 20.28,54.74 20.28,61.95 v1(20.04,62.19)
  Bottom w0.12: v1(8.19,32.4) 8.56,32.4 9.6,31.35 A2.14
CS_B: length 78.7
  Top w0.12: v1(62.87,61.42) 62.87,61.47 U5.37
  In1.Cu w0.12: v1(20.54,62.07) 20.54,62.16 20.75,62.36 37.7,62.36 37.71,62.36 56.36,62.36 60.79,62.36 61.72,61.42 v1(62.87,61.42)
  In2.Cu w0.12: v1(20.87,32.66) 20.87,35.49 20.7,35.66 20.7,54.26 20.54,54.43 v1(20.54,62.07)
  Bottom w0.12: B1.14 23.28,30.88 21.5,32.66 v1(20.87,32.66)
CS_C: length 35.6
  Top w0.12: v1(63.42,60.87) 63.42,61.46 U5.38
  In2.Cu w0.1: 63.26,53.52 61.99,52.26 61.99,47.59 63.04,46.55
  In2.Cu w0.12: 63.04,46.55 63.04,45.3 63.87,44.46 63.87,31.75 v1(63.94,31.68) ; 63.26,53.52 64.37,54.64 64.37,59.91 v1(63.42,60.87)
  Bottom w0.12: v1(63.94,31.68) 64.23,31.39 C26.14
CS_D: length 48.5
  Top w0.12: v1(63.8,61.17) 63.8,61.28 U5.39
  In1.Cu w0.12: v1(65.27,45.33) 75.99,45.33 v1(76.14,45.48)
  In2.Cu w0.12: v1(75.98,32.42) 76.57,33.01 76.57,45.05 v1(76.14,45.48) ; v1(65.27,45.33) 62.41,48.19 62.41,51.03 62.43,51.05 62.43,52.12 64.76,54.45 64.76,60.62 64.21,61.17 v1(63.8,61.17)
  Bottom w0.12: v1(75.98,32.42) 76.67,32.42 77.9,31.18 77.9,30.54
CS_E: length 111.9
  Top w0.12: v1(62.74,57.2) 63.75,58.21 63.75,60.67 65.64,62.56 U5.40
  In1.Cu w0.12: v1(5.5,53) 6.06,52.44 8.94,52.44 9.07,52.31 13.36,52.31 13.49,52.44 14.67,52.44 15.3,53.07 v1(21.58,53.07) ; v1(21.6,54.84) 22.72,55.96 25.82,55.96 26.3,56.45 34.57,56.45 34.85,56.17 35.71,56.17 35.82,56.28 39.03,56.28 39.2,56.45 41.53,56.45 41.86,56.78 48.15,56.78 49.44,55.49 61.03,55.49 v1(62.74,57.2)
  In2.Cu w0.12: v1(21.58,53.07) 21.58,54.83 v1(21.6,54.84) ; v1(5.8,16.09) 6.01,16.3 6.01,25.09 5.72,25.38 5.72,25.39 5.71,25.4 5.71,34.72 5.72,34.72 5.72,34.73 5.82,34.84 5.82,45.63 6.1,45.9 6.1,52.4 v1(5.5,53)
  Bottom w0.12: E1.14 9.68,13.83 7.42,16.09 v1(5.8,16.09)
